# Altium PCB ROBOT_MOTHERBOARD.PcbDoc (part 1 of 2)
Units mil, origin at the board's own origin, x right, y up, seen from the top; angles counter-clockwise.
Board outline 4835 x 2350.29 mil, 4 copper layers (SIG1, GND, PWR, SIG2), stack 23.756 mil thick; 101 components, 56 nets, 379 pads, 652 vias.
Unrouted connection lines stored in the file: 10.
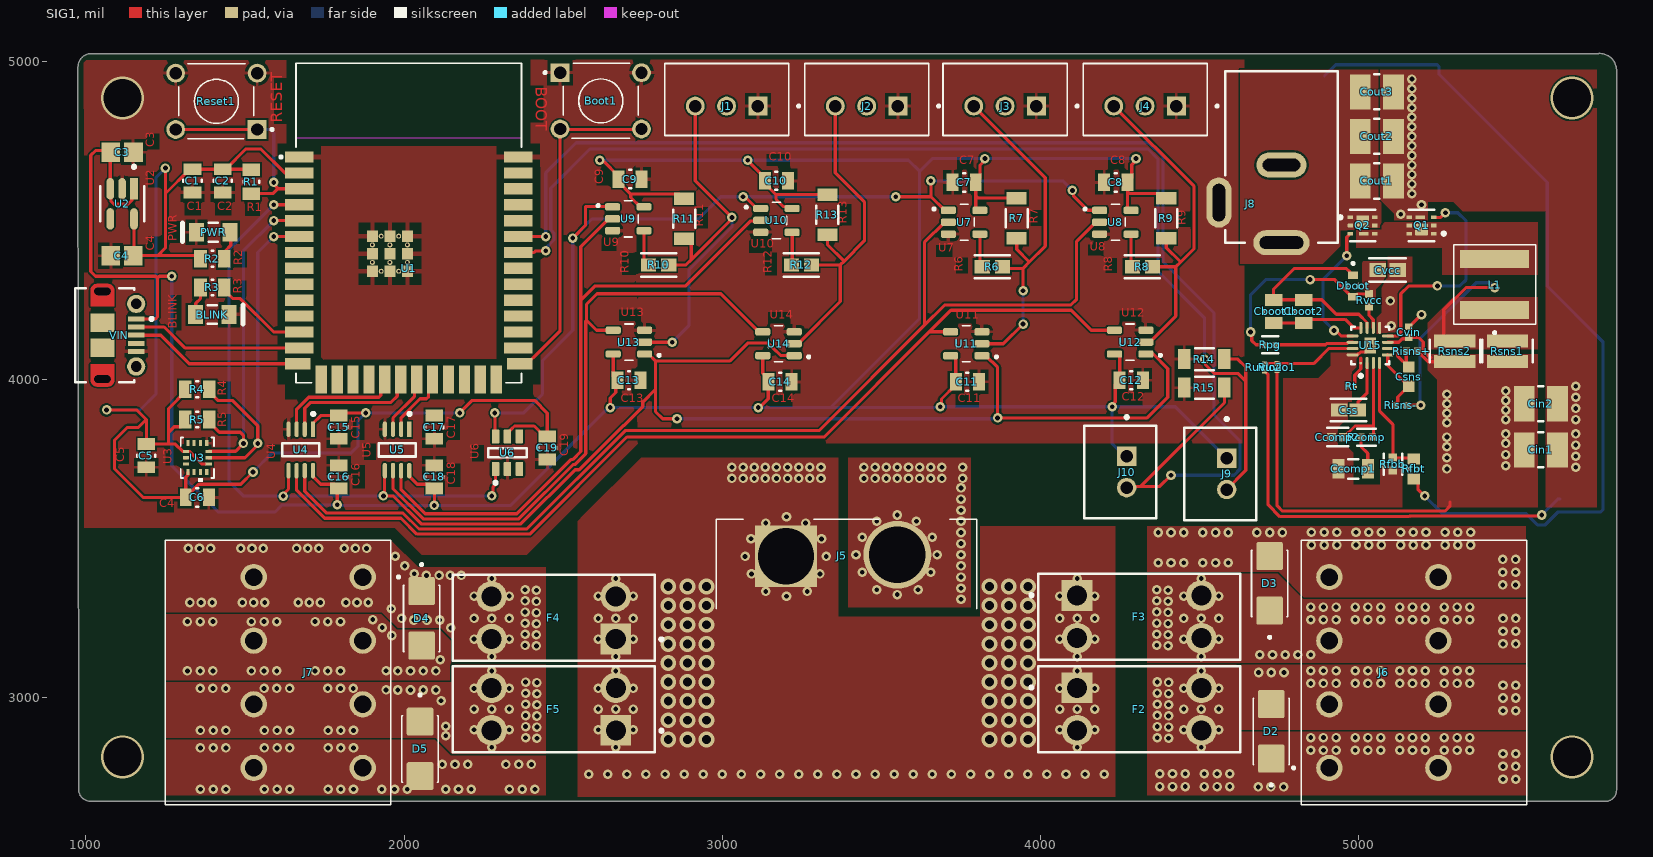
[diagram p0: SIG1 view]
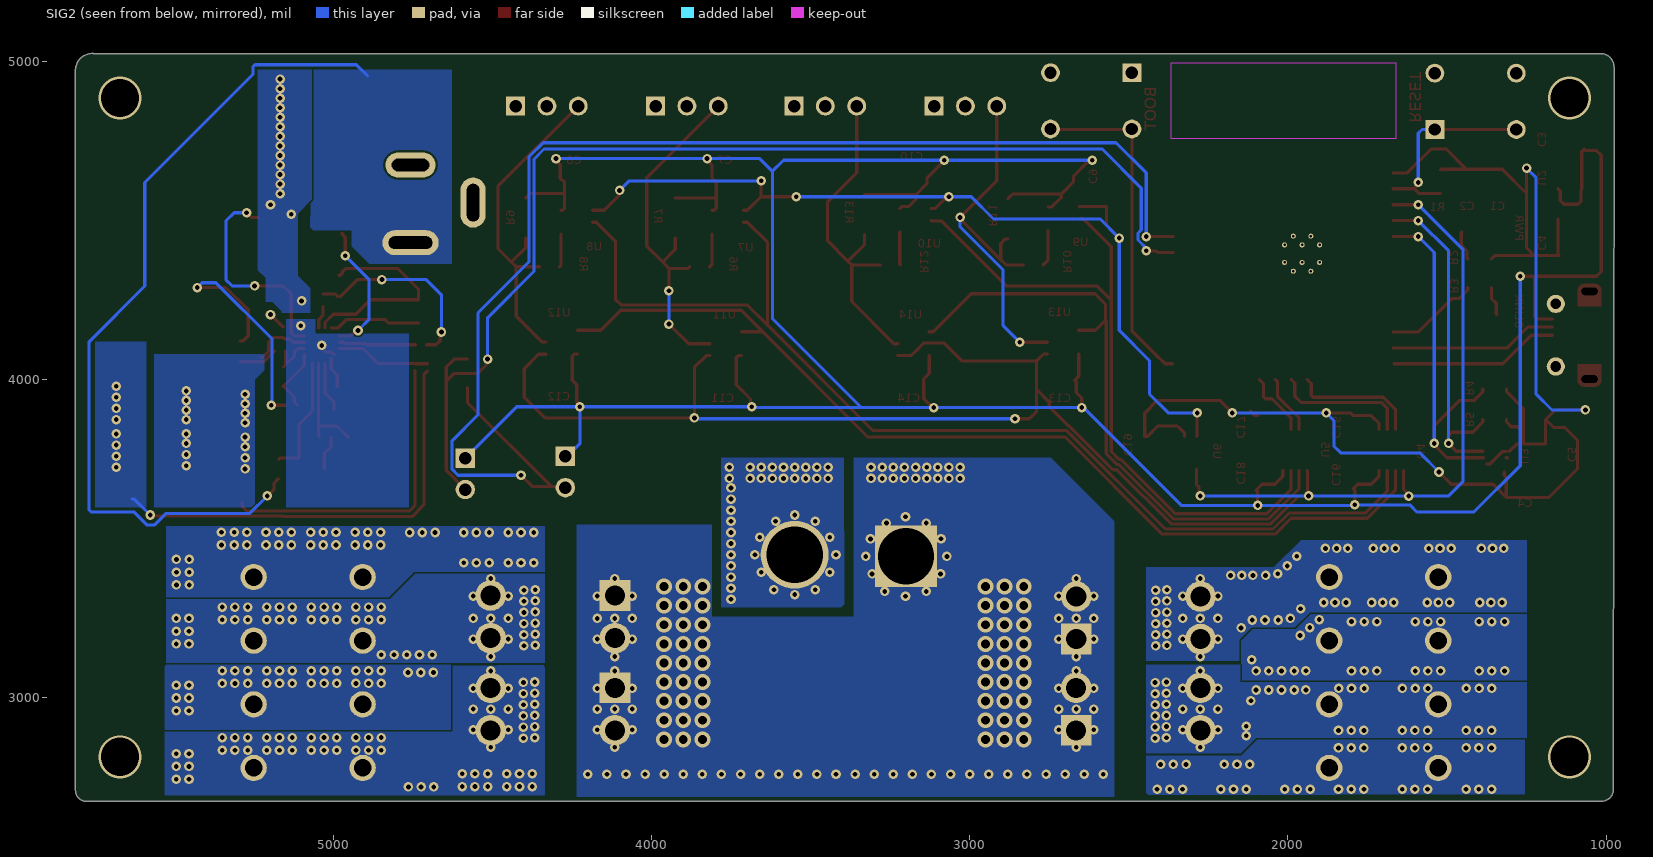
[diagram p1: SIG2 view, seen from below]
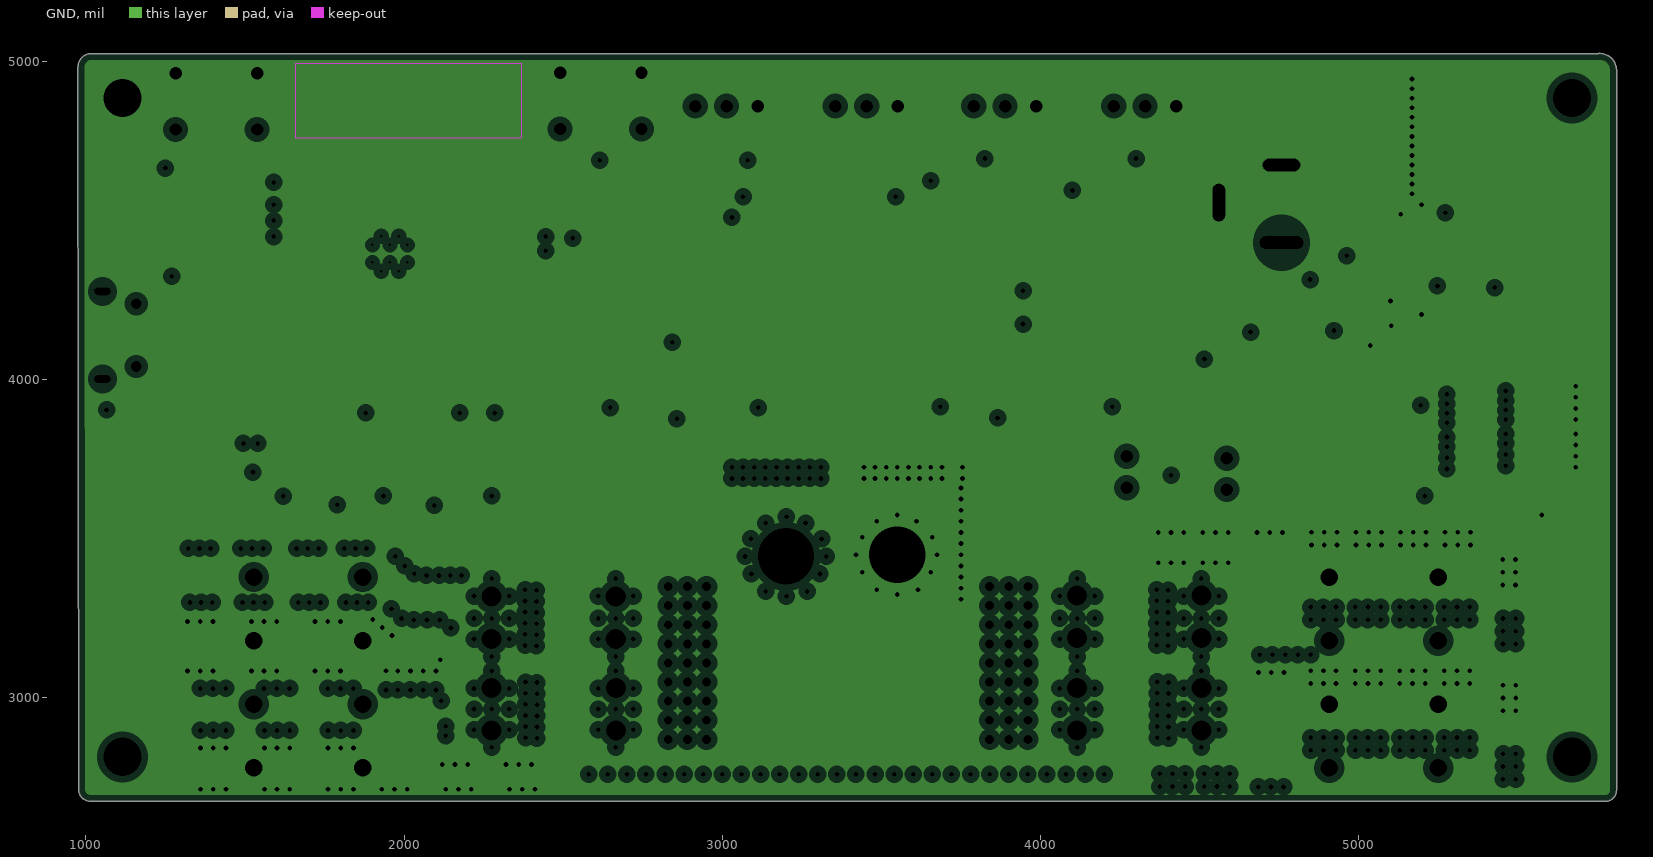
[diagram p2: GND, clearances drawn from the general rule]
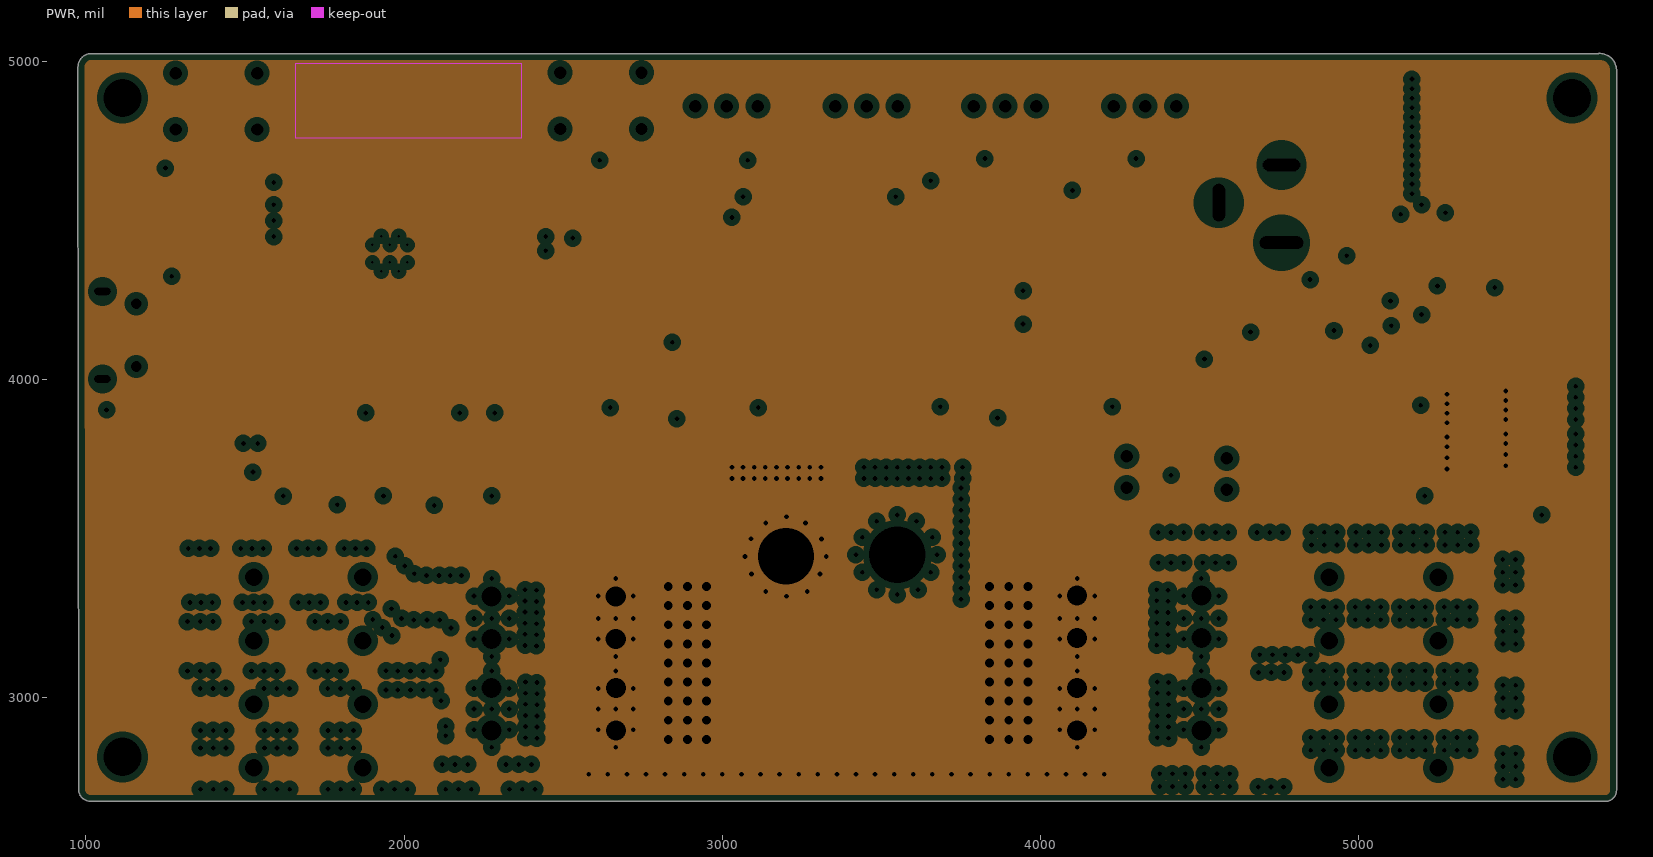
[diagram p3: PWR, clearances drawn from the general rule]
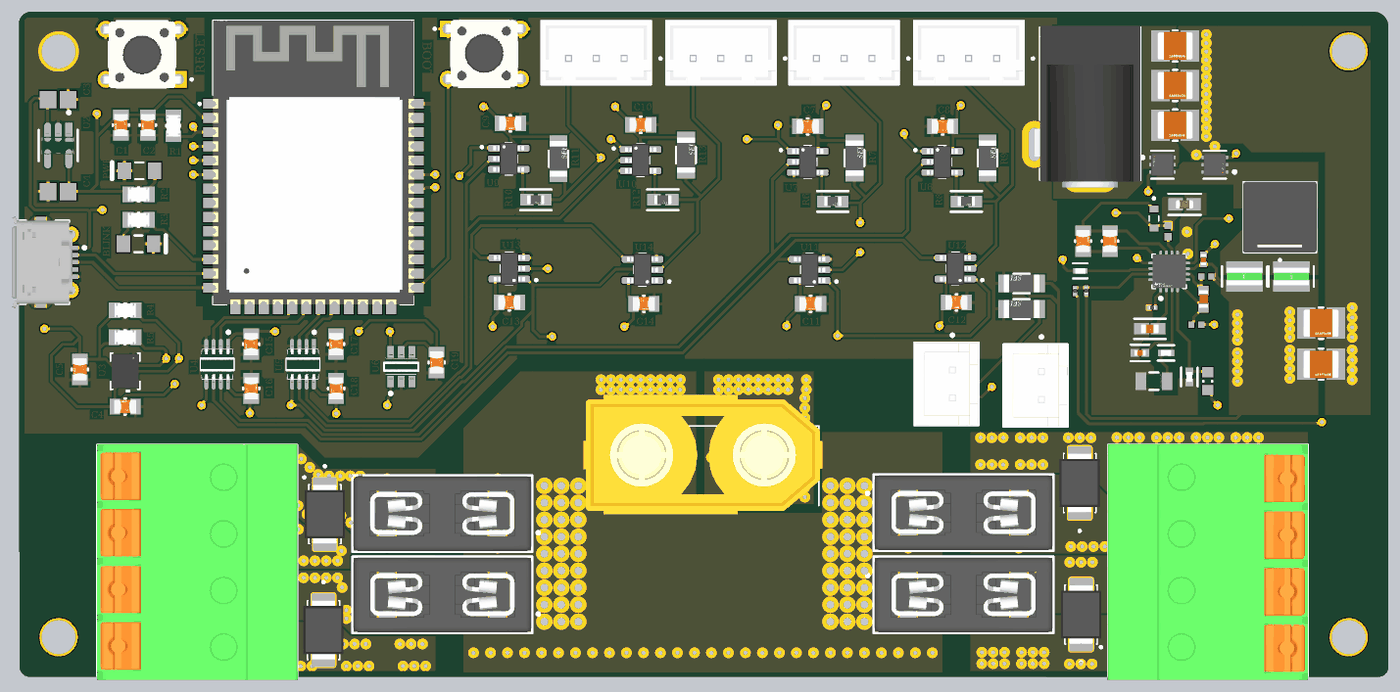
[diagram p5: 3D render of the assembled board from above, using the file's embedded part models]

## Layer stack, top to bottom
Top Solder: solder mask 0.4, Solder Resist, Dk 3.5
SIG1: signal copper 1.4
Dielectric 2: prepreg 2.8, PP-006, Dk 4.1
GND: plane copper 1.378, net GND
Dielectric 1: dielectric 12.6, FR-4, Dk 4.8
PWR: plane copper 1.378, net 11V1+
Dielectric 3: prepreg 2.8, PP-006, Dk 4.1
SIG2: signal copper 1.4
Bottom Solder: solder mask 0.4, Solder Resist, Dk 3.5

## Board outline
976.77,2713.16 975,4982.68 cw(c1017.32,4982.68) 1017.32,5025 1014.98,5025 5754.5,5025 5754.49,5025.28 cw(c5757.02,4972.3) 5810,4970 5810,2710.01 cw(c5774.98,2710.01) 5774.98,2674.99 1015,2675 1014.93,2675 cw(c1014.93,2713.16)

## Design rules (kind name [scope] priority, off if disabled: settings)
Clearance [All] p1: gap=5.91 ignorepadtopadclearanceinfootprint=TRUE
PlaneClearance [All] p1: clearance=20
PlaneConnect [All] p1: planeconnectstyle=Direct reliefexpansion=20 reliefentries=4 reliefconductorwidth=10 reliefairgap=10
PolygonConnect [All] p1: connectstyle=Relief reliefconductorwidth=10 reliefentries=4 polygonreliefangle="90 Angle" airgapwidth=10
RoutingVias [All] p1: holewidth=28 width=50 viastyle="Through Hole" minholewidth=28 minwidth=50 maxholewidth=28 maxwidth=50
SolderMaskExpansion [All] p1: expansion=4 istentingtop=FALSE
SupplyNets "Schematic Supply Nets_2" [InNet('3V3')] p1: voltage=0.000
SupplyNets "Schematic Supply Nets_1" [InNet('+5')] p2: voltage=0.000
SupplyNets "Schematic Supply Nets" [InNet('GND')] p3: voltage=0.000
Width [All] p1: maxlimit=10 minlimit=10 preferedwidth=10
28 further rules are at their usual default settings.

## Classes and differential pairs
component class Jetson_power: Cboot1 Cboot2 Ccomp1 Ccomp2 Cin1 Cin2 Cout1 Cout2 Cout3 Csns Css Cvcc Cvin D2 D3 D4 D5 Dboot F2 F3 F4 F5 J5 J6 J7 J8 L1 Q1 Q2 Rcomp Rfbb Rfbt Risns+ Risns- Rpg Rsns1 Rsns2 Rt Ruvlo1 Ruvlo2 Rvcc U15
component class UART_LOGIC: C7 C8 C9 C10 C11 C12 C13 C14 C15 C16 C17 C18 C19 J1 J2 J3 J4 R6 R7 R8 R9 R10 R11 R12 R13 U4 U5 U6 U7 U8 U9 U10 U11 U12 U13 U14
component class MCU_IMU: BLINK Boot1 C1 C2 C3 C4 C5 C6 J9 J10 PWR R1 R2 R3 R4 R5 R14 R15 Reset1 U1 U2 U3 VIN

## Components (designator, comment, footprint, x,y, rotation, side; value= is the part's Value field where it differs from the comment)
BLINK "SML-LX1206IC-TR" LUMX-SML-LX1206IC_V 1396.85,4205 r0 top
Boot1 "1825910-6" SW_1825910-6-4 2617.95,4876.42 r0 top
C1 "u1" FP-CC0805-0_85-MFG 1335,4625 r270 top value="100 nF"
C2 "u1" FP-CC0805-0_85-MFG 1430,4625 r270 top value="100 nF"
C3 "1u" CAPC2013X140X50ML20T25 1113.74,4715 r180 top
C4 "1u" CAPC2013X140X50ML20T25 1113.31,4390 r0 top
C5 "u1" FP-CC0805-0_85-MFG 1190,3761.42 r270 top value="100 nF"
C6 "u1" FP-CC0805-0_85-MFG 1350,3630 r180 top value="100 nF"
C7 "u1" FP-CC0805-0_85-MFG 3760,4620 r180 top value="100 nF"
C8 "u1" FP-CC0805-0_85-MFG 4236.42,4620 r180 top value="100 nF"
C9 "u1" FP-CC0805-0_85-MFG 2710,4630.75 r0 top value="100 nF"
C10 "u1" FP-CC0805-0_85-MFG 3170,4625.75 r0 top value="100 nF"
C11 "u1" FP-CC0805-0_85-MFG 3770.08,3993.19 r0 top value="100 nF"
C12 "u1" FP-CC0805-0_85-MFG 4285.08,3998.19 r0 top value="100 nF"
C13 "u1" FP-CC0805-0_85-MFG 2706.5,3998.19 r0 top value="100 nF"
C14 "u1" FP-CC0805-0_85-MFG 3181.5,3993.19 r0 top value="100 nF"
C15 "u1" FP-CC0805-0_85-MFG 1794.68,3850.81 r270 top value="100 nF"
C16 "u1" FP-CC0805-0_85-MFG 1795,3694.4 r90 top value="100 nF"
C17 "u1" FP-CC0805-0_85-MFG 2094.68,3850.81 r270 top value="100 nF"
C18 "u1" FP-CC0805-0_85-MFG 2095,3694.4 r90 top value="100 nF"
C19 "u1" FP-CC0805-0_85-MFG 2449.68,3785.81 r270 top value="100 nF"
Cboot1 "u1" FP-CC0805-0_85-MFG 4732.17,4214.72 r90 top value="100 nF"
Cboot2 "u1" FP-CC0805-0_85-MFG 4827.17,4214.72 r90 top value="100 nF"
Ccomp1 "CGA4C2C0G1H822J060AA" FP-CGA4J-IPC_A 4982.17,3719.72 r180 top
Ccomp2 "GRM1555C1H391JA01J" FP-GRM155-0_05-IPC_A 4933.32,3819.72 r180 top
Cin1 "CL32A106KBJNNNE" FP-CL32-IPC_B 5572.17,3779.72 r0 top
Cin2 "CL32A106KBJNNNE" FP-CL32-IPC_B 5572.17,3924.72 r0 top
Cout1 "CL32B106KBJNNWE" FP-CL32-IPC_B 5057.17,4624.72 r0 top
Cout2 "CL32B106KBJNNWE" FP-CL32-IPC_B 5057.17,4764.72 r0 top
Cout3 "CL32B106KBJNNWE" FP-CL32-IPC_B 5057.17,4904.72 r0 top
Csns "GRM1885C1H101JA01D" CAPC1608X90N 5157.17,4009.72 r270 top value=100pF
Css "C1608C0G1E472J080AA" FP-C1608-080-0_1-IPC_A 4968.01,3904.72 r0 top
Cvcc "GRM188R61C106MA73D" FP-GRM188-0_2-IPC_A 5090.65,4344.72 r0 top
Cvin "GRM155R71C104KA88D" CAPC1005X55N 5157.17,4149.72 r270 top value=100nF
D2 "SMBJ13A-13-F" DIOM5336X250N 4725,2895 r90 top
D3 "SMBJ13A-13-F" DIOM5336X250N 4720,3360 r90 top
D4 "SMBJ13A-13-F" DIOM5336X250N 2055,3250 r270 top
D5 "SMBJ13A-13-F" DIOM5336X250N 2050,2840 r270 top
Dboot "XBS053V15R-G" DIO_XBS053V15R-G 4982.17,4294.72 r270 top
F2 "3568" FP-3568-MFG 4310,2965 r0 top
F3 "3568" FP-3568-MFG 4310,3255 r0 top
F4 "3568" FP-3568-MFG 2469.72,3251.93 r180 top
F5 "3568" FP-3568-MFG 2470,2965 r180 top
J1 "B3B-XH-A" JST_B3B-XH-A 3013.43,4880.67 r0 top
J2 "B3B-XH-A" JST_B3B-XH-A 3453.43,4880.67 r0 top
J3 "B3B-XH-A" JST_B3B-XH-A 3888.43,4880.67 r0 top
J4 "B3B-XH-A" JST_B3B-XH-A 4328.43,4880.67 r0 top
J5 "XT90PW-M" "AMASS_XT90PW-M - duplicate" 3390,3085 r0 top
J6 "1017505" PHOENIX_1017505 5527.56,2664.25 r90 top
J7 "1017505" PHOENIX_1017505 1249.92,3495.75 r270 top
J8 "KLDX-0202-B" KYCN-KLDX-0202-B_V 4757.17,4970 r270 top
J9 "B2B-XH-A(LF)(SN)" FP-B2B-XH-A_LF_SN-MFG 4564.33,3704.21 r270 top
J10 "B2B-XH-A(LF)(SN)" FP-B2B-XH-A_LF_SN-MFG 4250,3710 r270 top
L1 "XAL6060-472MEB" IND_XAL6060-472MEB 5427.17,4299.25 r90 top value=4.7µH
PWR "SML-LX1206IC-TR" LUMX-SML-LX1206IC_V 1400.35,4463.5 r180 top
Q1 "CSD17571Q2" FP-DQK0006C-MFG 5197.17,4484.72 r180 top
Q2 "CSD17571Q2" FP-DQK0006C-MFG 5012.17,4484.72 r0 top
R1 "4k7" FP-CRCW0805-e3-IPC_B 1520,4622.44 r270 top
R2 "4k7" FP-CRCW0805-e3-IPC_B 1397.56,4380 r0 top
R3 "4k7" FP-CRCW0805-e3-IPC_B 1397.56,4290 r180 top
R4 "4k7" FP-CRCW0805-e3-IPC_B 1350,3970 r0 top
R5 "4k7" FP-CRCW0805-e3-IPC_B 1350,3875 r0 top
R6 "47Ω" FP-RMCF0603-IPC_A 3848.46,4355 r0 top
R7 "10kΩ" FP-RMCF1206-MFG 3925,4507.99 r90 top
R8 "47Ω" FP-RMCF0603-IPC_A 4320,4355 r0 top
R9 "10kΩ" FP-RMCF1206-MFG 4395,4507.99 r90 top
R10 "47Ω" FP-RMCF0603-IPC_A 2800,4360.75 r0 top
R11 "10kΩ" FP-RMCF1206-MFG 2880,4505.75 r90 top
R12 "47Ω" FP-RMCF0603-IPC_A 3248.46,4360.75 r0 top
R13 "10kΩ" FP-RMCF1206-MFG 3330,4518.74 r90 top
R14 "RMCF1206FG10K0" FP-RMCF1206-MFG 4515,4065 r180 top
R15 "RMCF1206FG10K0" FP-RMCF1206-MFG 4515,3975 r180 top
Rcomp "CRCW04025K36FKED" FP-CRCW0402-e3-IPC_B 5024.97,3819.72 r0 top
Reset1 "1825910-6" SW_1825910-6-4 1410,4875 r180 top
Rfbb "CRCW040211K0FKED" FP-CRCW0402-e3-IPC_A 5107.17,3734.72 r270 top
Rfbt "160K 1% 0603(1608)" RESC0603(1608)_N 5172.17,3719.72 r270 top value="160000.00 Ohm"
Risns+ "CRCW040210R0FKED" RESC1005X40X25NL05T05 5167.17,4089.72 r180 top
Risns- "CRCW040210R0FKED" RESC1005X40X25NL05T05 5132.17,3919.72 r0 top
Rpg "CRCW0402100KFKED" FP-CRCW0402-e3-IPC_C 4722.17,4109.72 r0 top
Rsns1 "PRL1632-R010-F-T1" FP-PRL1632-MFG 5467.17,4089.72 r90 top
Rsns2 "PRL1632-R010-F-T1" FP-PRL1632-MFG 5302.17,4089.72 r90 top
Rt "RC0201FR-07105KL" RESC0603X26N#1 4976.1,3979.72 r0 top value=105k
Ruvlo1 "RC0201FR-07162KL" RESC0603X26N#1 4743.46,4039.72 r270 top value=162k
Ruvlo2 "RC0201FR-0723K7L" RESC0603X26N#2 4703.46,4038.66 r90 top value=23.7k
Rvcc "CRCW04022R00FKED" RESC1005X40X25ML05T05 5032.17,4249.72 r90 top
U1 "ESP32-S3-WROOM-1-N4R2" XCVR_ESP32-S3-WROOM-1-N4R2 2004.17,4509.84 r0 top
U2 "AP2112K-3.3TRG1" FP-SOT25-IPC_A 1113.74,4552.73 r270 top
U3 "BMI323" BMI323_BOS 1350,3755 r270 top
U4 "SN74LVC2T45DCTR" FP-DCT0008A-IPC_C 1675,3779.4 r270 top
U5 "SN74LVC2T45DCTR" FP-DCT0008A-IPC_C 1977.8,3779.37 r270 top
U6 "SN74LVC2G04DBVRG4" FP-DBV0006A-MFG 2324.68,3770.81 r90 top
U7 "SN74AHCT1G125DBVT" SOT95P280X145-5N 3760,4495 r0 top
U8 "SN74AHCT1G125DBVT" SOT95P280X145-5N 4235,4495 r0 top
U9 "SN74AHCT1G125DBVT" SOT95P280X145-5N 2704.41,4505.75 r0 top
U10 "SN74AHCT1G125DBVT" SOT95P280X145-5N 3170,4500.75 r0 top
U11 "SN74AHCT1G125DBVT" SOT95P280X145-5N 3766.5,4113.19 r180 top
U12 "SN74AHCT1G125DBVT" SOT95P280X145-5N 4281.5,4118.19 r180 top
U13 "SN74AHCT1G125DBVT" SOT95P280X145-5N 2706.5,4118.19 r180 top
U14 "SN74AHCT1G125DBVT" SOT95P280X145-5N 3176.5,4113.19 r180 top
U15 "TPS43060RTER" FP-RTE0016E-IPC_B 5036.01,4107.86 r90 top
VIN "105017-0001" USB-MICRO-B_V 1105,4140 r270 top

## Footprints (in the part's own frame and the unit in brackets; to place one, negate y for a bottom-side part, rotate by r counter-clockwise, add the part's x,y. Pads: shape width x height; smd on the part's side, far side on the other; paste and mask are expansions set on the pad)
"AMASS_XT90PW-M - duplicate" [mil]
  round 213.23 hole 177.17: N(160,365)
  rect 193.54x193.54 hole 177.17: P(-190,360)
  silkscreen extent -409,195 409,476, body extent -421,165 421,586, height 819
BMI323_BOS [mil]
  rect 19x10 smd paste+0 mask+0: 1(-45.5,29.53) 2(-45.5,9.84) 3(-45.5,-9.84) 4(-45.5,-29.53) 8(45.5,-29.53) 9(45.5,-9.84) 10(45.5,9.84) 11(45.5,29.53)
  rect 10x19 smd paste+0 mask+0: 5(-19.68,-36) 6(0,-36) 7(19.68,-36) 12(19.68,36) 13(0,36) 14(-19.68,36)
  silkscreen extent -64,-52 75,52, body extent -59,-47 59,47, height 34
CAPC1005X55N [mm]
  rect 0.54x0.6 smd: 1(-0.432,0) 2(0.432,0)
  body extent -0.5,-0.25 0.5,0.25, height 0.55
CAPC1608X90N [mm]
  rect 0.89x0.93 smd: 1(-0.77,0) 2(0.77,0)
  body extent -0.8,-0.4 0.8,0.4, height 0.9
CAPC2013X140X50ML20T25 [mm] "Chip Capacitor, 2-Leads, Body 2.00x1.25mm, IPC Low Density"
  rect 1.5x1.55 smd: 1(-0.9,0) 2(0.9,0)
  body extent -1.1,-0.72 1.1,0.72, height 1.4
DIO_XBS053V15R-G [mm]
  rect 0.6x0.8 smd: A(0.85,0) C(-0.85,0)
  silkscreen extent -1.9,-0.43 0.22,0.43
DIOM5336X250N [mm]
  rrect15% 2.25x2.13 smd: 1(-2.175,0) 2(2.175,0)
  silkscreen extent -4.4,-1.45 2.65,1.45, body extent -2.65,-1.81 2.65,1.81, height 2.5
FP-3568-MFG [mm]
  round 2.45 hole 1.6 paste-2539.97 mask+0: 1(-4.96,-1.7) 2(4.96,-1.7) 2(4.96,1.7)
  rect 2.45x2.45 hole 1.6 paste-2539.97 mask+0: 1(-4.96,1.7)
  silkscreen extent -8.72,-3.43 8.07,3.43, body extent -8.17,-3.53 8.17,3.53, height 0.25
FP-B2B-XH-A_LF_SN-MFG [mm]
  rect 1.55x1.55 hole 1 paste-2539.97 mask+0: 1(-1.25,0.525)
  round 1.55 hole 1 paste-2539.97 mask+0: 2(1.25,0.525)
  silkscreen extent -4.5,-2.88 3.7,2.88, body extent -3.8,-2.98 3.8,2.98, height 0.25
FP-C1608-080-0_1-IPC_A [mil]
  rect 52.4x39.85 smd paste+0 mask+0: 1(-29.15,0) 2(29.15,0)
  silkscreen extent -55,-36 55,36, body extent -75,-40 75,40, height 10
FP-CC0805-0_85-MFG [mm]
  rect 0.95x1.4 smd paste+0 mask+0: 1(-0.925,0) 2(0.925,0)
  silkscreen extent -0.08,-0.72 0.08,0.72, body extent -1.6,-1.05 1.6,1.05, height 0.25
FP-CGA4J-IPC_A [mm]
  rect 0.956x1.556 smd paste+0 mask+0: 1(-1.175,0) 2(1.175,0)
  silkscreen extent -0.4,-0.78 0.4,0.78, body extent -2.15,-1.28 2.15,1.28, height 0.25
FP-CL32-IPC_B [mil]
  rect 65.06x110.4 smd paste+0 mask+0: 1(-52.18,0) 2(52.18,0)
  silkscreen extent -8,-55 8,55, body extent -95,-65 95,65, height 10
FP-CRCW0402-e3-IPC_A [mil]
  rect 26.31x26.48 smd paste+0 mask+0: 1(-19.77,0) 2(19.77,0)
  silkscreen extent -33,-29 33,29, body extent -41,-21 41,21, height 10
FP-CRCW0402-e3-IPC_B [mil]
  rect 22.37x22.54 smd paste+0 mask+0: 1(-17.8,0) 2(17.8,0)
  silkscreen extent -29,-27 29,27, body extent -35,-17 35,17, height 10
FP-CRCW0402-e3-IPC_C [mil]
  rect 18.43x18.6 smd paste+0 mask+0: 1(-15.83,0) 2(15.83,0)
  silkscreen extent -25,-27 25,27, body extent -29,-15 29,15, height 10
FP-CRCW0805-e3-IPC_B [mil]
  rect 39.63x55.44 smd paste+0 mask+0: 1(-37.44,0) 2(37.44,0)
  silkscreen extent -3,-25 3,25, body extent -67,-38 67,38, height 10
FP-DBV0006A-MFG [mm]
  rrect17% 1.1x0.6 smd paste+0 mask+0: 1(-1.3,0.95) 2(-1.3,0) 3(-1.3,-0.95) 4(1.3,-0.95) 5(1.3,0) 6(1.3,0.95)
  silkscreen extent -2.52,-1.53 0.35,1.53, body extent -1.95,-1.78 1.95,1.78, height 0.25
FP-DCT0008A-IPC_C [mm]
  rect 1.254x0.336 smd paste+0 mask+0: 1(-1.65,0.975)
  rrect100% 1.254x0.336 smd paste+0 mask+0: 2(-1.65,0.325) 3(-1.65,-0.325) 4(-1.65,-0.975) 5(1.65,-0.975) 6(1.65,-0.325) 7(1.65,0.325) 8(1.65,0.975)
  silkscreen extent -3,-1.48 0.52,1.48, body extent -2.38,-1.58 2.38,1.58, height 0.25
FP-DQK0006C-MFG [mm]
  rrect33% 0.45x0.3 smd paste+0 mask+0: 1(-0.975,0.65) 2(-0.975,0) 3(-0.975,-0.65) 4(0.975,-0.65) 5(0.975,0) 6(0.975,0.65)
  rrect33% 0.75x0.3 smd paste-1000 mask+0: 7(0.095,-0.65)
  rrect11% 1x0.95 smd paste-1000 mask+0: 8(0,0.325)
  silkscreen extent -1.9,-1.25 1,1.25, body extent -1.3,-1.15 1.3,1.15, height 0.25
FP-GRM155-0_05-IPC_A [mil]
  rect 28.16x26.48 smd paste+0 mask+0: 1(-18.84,0) 2(18.84,0)
  silkscreen extent -33,-29 33,29, body extent -41,-21 41,21, height 10
FP-GRM188-0_2-IPC_A [mil]
  rect 51.38x43.55 smd paste+0 mask+0: 1(-31.52,0) 2(31.52,0)
  silkscreen extent -57,-38 57,38, body extent -77,-41 77,41, height 10
FP-PRL1632-MFG [mm]
  rect 1.05x3.3 smd paste+0 mask+0: 1(-0.825,0) 2(0.825,0)
  silkscreen extent -0.9,-2.02 0.9,2.02, body extent -1.45,-1.8 1.45,1.8, height 0.25
FP-RMCF0603-IPC_A [mil]
  rect 47.48x41.66 smd paste+0 mask+0: 1(-31.54,0) 2(31.54,0)
  silkscreen extent -55,-37 55,37, body extent -75,-41 75,41, height 10
FP-RMCF1206-MFG [mm]
  rect 1x1.6 smd paste+0 mask+0: 1(-1.6,0) 2(1.6,0)
  silkscreen extent -0.72,-0.87 0.72,0.87, body extent -2.2,-0.97 2.2,0.97, height 0.25
FP-RTE0016E-IPC_B [mm]
  round 0.215 smd paste+0 mask+0: 1(-1.413,0.75)
  rrect100% 0.957x0.239 smd paste+0 mask+0: 2(-1.401,0.25) 3(-1.401,-0.25) 4(-1.401,-0.75) 9(1.401,-0.75) 10(1.401,-0.25) 11(1.401,0.25) 12(1.401,0.75)
  rrect100% 0.239x0.957 smd paste+0 mask+0: 5(-0.75,-1.401) 6(-0.25,-1.401) 7(0.25,-1.401) 8(0.75,-1.401) 13(0.75,1.401) 14(0.25,1.401) 15(-0.25,1.401) 16(-0.75,1.401)
  rect 1.3x0.9 smd paste-1000 mask+0: 17(0,0)
  SIG1 region: -1.879,0.87 -1.042,0.87 -0.996,0.861 -0.957,0.835 -0.931,0.796 -0.922,0.75 -0.922,0.75 -0.931,0.704 -0.957,0.665 -0.996,0.639 -1.042,0.63 -1.042,0.63 -1.879,0.63
  silkscreen extent -2.55,-1.5 1.5,1.5, body extent -2.13,-2.13 2.13,2.13, height 0.25
FP-SOT25-IPC_A [mm]
  rect 1.707x0.616 smd paste+0 mask+0: 1(-1.201,0.95)
  rrect100% 1.707x0.616 smd paste+0 mask+0: 2(-1.201,0) 3(-1.201,-0.95) 4(1.201,-0.95) 5(1.201,0.95)
  silkscreen extent -3.08,-1.75 1.4,1.75, body extent -2.55,-2 2.55,2, height 0.25
IND_XAL6060-472MEB [mm]
  rect 1.43x5.5 smd: 1(-2.02,0) 2(2.02,0)
  silkscreen extent -3.95,-3.28 3.18,3.28, body extent -3.18,-3.28 3.18,3.28, height 6.1
JST_B3B-XH-A [mm]
  rect 1.508x1.508 / inner round 1.508 / far side rect 1.508x1.508 hole 1: 1(2.5,-0.525)
  round 1.508 hole 1: 2(0,-0.525) 3(-2.5,-0.525)
  silkscreen extent -4.95,-2.88 5.85,2.88, body extent -4.95,-2.88 4.95,2.88, height 7
KYCN-KLDX-0202-B_V [mm] "3 Conductor Jack, 9 x 14.5 mm Body"
  oval 2x4.5 hole 1 slot 3.5 at 90 deg: 1(13.7,0)
  oval 2x4 hole 1 slot 3 at 90 deg: 2(7.5,0)
  oval 4x2 hole 1 slot 3 at 0 deg: 3(10.5,-5)
  silkscreen extent 0,-4.5 13.7,4.5, body extent -0.15,-5 14.35,4.5, height 11
LUMX-SML-LX1206IC_V [mm] "SMD, 2-Leads, Body 3.2x1.5mm"
  rect 1.2x1.5 smd: 1(-1.35,0) 2(1.35,0)
  silkscreen extent -0.35,-0.75 2.45,0.75, body extent -1.6,-0.8 1.6,0.8, height 1.1
PHOENIX_1017505 [mm]
  round 2.1 hole 1.4: 1_1(2.94,15.75) 1_2(2.94,7.05) 2_1(8.02,15.75) 2_2(8.02,7.05) 3_1(13.1,15.75) 3_2(13.1,7.05) 4_1(18.18,15.75) 4_2(18.18,7.05)
  silkscreen extent 0,0 21.12,18.7, body extent 0,0.02 21.12,18.02, height 19
RESC0603(1608)_N [mm] "Chip Resistor, Body 1.6x0.8mm, IPC Medium Density"
  rect 0.9x1 smd: 1(-0.8,0) 2(0.8,0)
  silkscreen extent -0.05,-0.4 0.05,0.4, body extent -0.85,-0.47 0.85,0.47, height 0.6
RESC0603X26N#1 [mm]
  rect 0.38x0.4 smd: 1(-0.281,0) 2(0.281,0)
  body extent -0.3,-0.15 0.3,0.15, height 0.26
RESC0603X26N#2 [mm]
  rect 0.38x0.4 smd paste+0 mask+0.102: 1(-0.281,0) 2(0.281,0)
  body extent -0.3,-0.15 0.3,0.15, height 0.26
RESC1005X40X25ML05T05 [mm] "Chip Resistor, 2-Leads, Body 1.00x0.50mm, IPC Low Density"
  rect 0.65x0.65 smd: 1(-0.5,0) 2(0.5,0)
  body extent -0.53,-0.27 0.53,0.28, height 0.4
RESC1005X40X25NL05T05 [mm] "Chip Resistor, 2-Leads, Body 1.00x0.50mm, IPC Medium Density"
  rect 0.55x0.55 smd: 1(-0.45,0) 2(0.45,0)
  body extent -0.53,-0.27 0.53,0.28, height 0.4
SOT95P280X145-5N [mm]
  rrect50% 1.21x0.59 smd: 1(-1.255,0.95) 2(-1.255,0) 3(-1.255,-0.95) 4(1.255,-0.95) 5(1.255,0.95)
  silkscreen extent -2.51,-1.45 0.8,1.45, body extent -1.4,-1.45 1.4,1.45, height 1.45
SW_1825910-6-4 [mm]
  rect 1.498x1.498 / inner round 1.498 / far side rect 1.498x1.498 hole 0.99: 1(-3.25,2.25)
  round 1.498 hole 0.99: 2(3.25,2.25) 3(-3.25,-2.25) 4(3.25,-2.25)
  silkscreen extent -4.54,-3 3,3, body extent -3.9,-2.94 3.9,3.05, height 5.01
USB-MICRO-B_V [mm] "USB, MICRO B, Body 7.491x4.695 mm, Pitch 0.65 mm"
  rect 0.4x1.35 smd: 1(-1.3,1.35) 2(-0.65,1.35) 3(0,1.35) 4(0.65,1.35) 5(1.3,1.35)
  round 1.45 hole 0.85: 6(-2.5,1.35) 7(2.5,1.35)
  rrect50% 0x0 hole 0.6 slot 1.3 at 90 deg: 8(-3.5,-1.35) 11(3.5,-1.35)
  rect 1.5x1.9 smd: 9(-1,-1.35) 10(1,-1.35)
  SIG1 circle w0.5: c-3.6,-1.8 r0.25
  SIG1 circle w0.5: c-3.6,-0.9 r0.25